# Altium PCB MainPCB_XBeeSXPro_Breakout.PcbDoc (part 1 of 2) (continued)
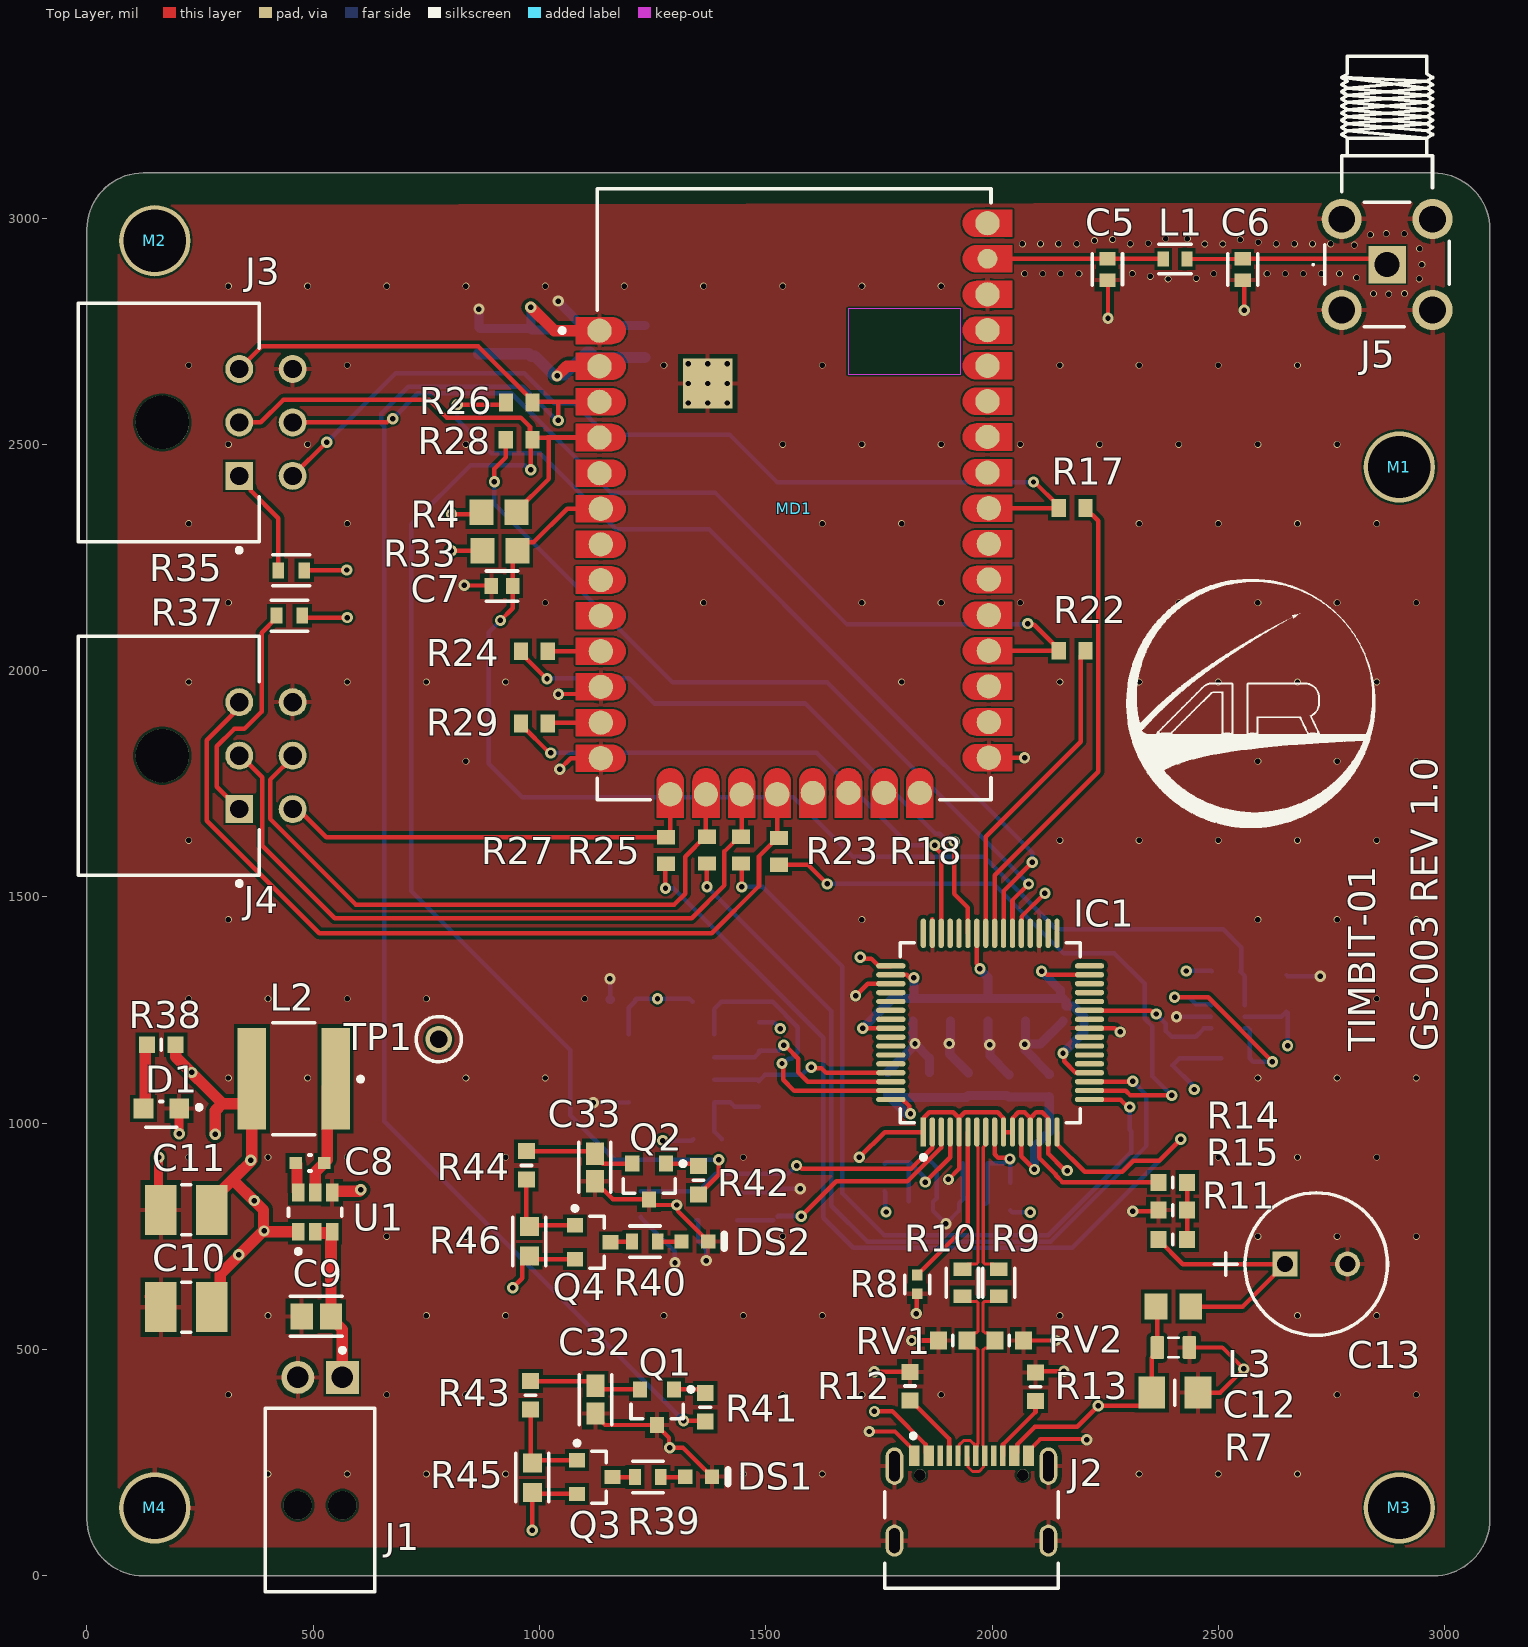
[diagram p0: Top Layer view]
## Components (designator, comment, footprint, x,y, rotation, side; value= is the part's Value field where it differs from the comment)
C1 "600S8R2BT250XT4K" CAPC1608X06N 866.09,2729.47 r90 bottom value=8.2pF
C2 "47pF" FP-C0805C470JDGACTU-MFG 981.73,2724.64 r90 bottom
C3 "0.1uF" FP-C0603C-CF-MFG 1107.79,2727.48 r90 bottom value="0.10 μF"
C4 "Capacitor 10µF +/-20% 25V 0805" CAPC0805(2012)145_L 1232.91,2727.48 r90 bottom value=10µF
C5 "0.1uF" FP-C0603C-CF-MFG 2254.69,2886.7 r90 top value="0.10 μF"
C6 "0.1uF" FP-C0603C-CF-MFG 2553.98,2886.59 r90 top value="0.10 μF"
C7 "10nF" FP-C0603C-CF-MFG 917.23,2186.68 r180 top value="10,000 pF"
C8 "100n" FP-0603-L_1_6_0_1-W_0_8_0-MFG 492.6,912.17 r180 top
C9 "10u" FP-GRM21B-0_2-e0_2_0_7-IPC_B 506.89,573.45 r180 top
C10 "22u" FP-1210-L_3_2_0_3-W_2_5_0-IPC_A 219.4,593.45 r180 top
C11 "22u" FP-1210-L_3_2_0_3-W_2_5_0-IPC_A 219.4,808.45 r180 top
C12 "Capacitor 10µF +/-20% 25V 0805" CAPC0805(2012)145_L 2400.85,504.73 r0 top value=10µF
C13 "ECA1HM101" CAPPR65-350-1150X800X1250 2716.32,688.76 r0 top value=100µF
C14 "30p" FP-GCM188-0_1-IPC_B 1526.96,818.78 r90 bottom
C15 "30p" FP-GCM188-0_1-IPC_B 1223.64,821.46 r270 bottom
C16 "0.1uF" CAPC0603(1608)100_L#1 1183.97,1273.24 r0 bottom value=100nF
C17 "0.1uF" FP-CGA3E-0_3-0_1-IPC_A 2650.51,1287.18 r270 bottom
C18 "0.1uF" FP-GCJ188-0_2-IPC_C 1769.53,1087.8 r270 bottom
C19 "Capacitor 4.7µF +/-20% 10V 0603" CAPC0603(1608)100_L#2 1861.72,1084.35 r270 bottom value=4.7µF
C20 "0.1uF" FP-GCJ188-0_2-IPC_C 1947.97,1085.99 r270 bottom
C21 "0.1uF" FP-GCJ188-0_2-IPC_C 2037.19,1082.19 r270 bottom
C22 "0.1uF" FP-GCJ188-0_2-IPC_C 2126.41,1083.23 r270 bottom
C23 "0.1uF" FP-GCJ188-0_2-IPC_C 1961.37,821.77 r0 bottom
C24 "Capacitor 4.7µF +/-20% 10V 0603" CAPC0603(1608)100_L#2 1962.31,911.9 r0 bottom value=4.7µF
C25 "0.1uF" FP-GCJ188-0_2-IPC_C 1840.67,914.2 r180 bottom
C26 "Capacitor 4.7µF +/-20% 10V 0603" CAPC0603(1608)100_L#2 1843.06,827.22 r180 bottom value=4.7µF
C27 "0.1uF" FP-GCJ188-0_2-IPC_C 1825.08,1251.02 r90 bottom
C28 "0.1uF" FP-GCJ188-0_2-IPC_C 1908.04,1251.02 r90 bottom
C29 "0.1uF" FP-GCJ188-0_2-IPC_C 1991,1251.02 r90 bottom
C30 "0.1uF" FP-GCJ188-0_2-IPC_C 2073.96,1251.02 r90 bottom
C31 "0.1uF" FP-GCJ188-0_2-IPC_C 2156.92,1251.02 r90 bottom
C32 "1uF" FP-0603-L_1_6_0_1-W_0_8_0-IPC_A 1123.89,389.28 r270 top
C33 "1uF" FP-0603-L_1_6_0_1-W_0_8_0-IPC_A 1122.19,902.48 r270 top
D1 "LTST-S270KRKT" FP-LTST-S270KRKT-MFG 164.4,1023.45 r180 top
DS1 "SML-LX0603YW-TR" LUMX-SML-LX0603_V 1351.54,219.01 r0 top
DS2 "LTW-C191TS5" LTST-LTW-C191TS5_V 1343.26,738.87 r0 top
IC1 "FT4232HL-REEL" FP-LQFP-64-MFG 1995.89,1200.19 r90 top
IC2 "74AUP2G06GW_125" SOT65P210X110-6N 2521.34,1235.05 r0 bottom
J1 "105313-1102" FP-105313-1102-MFG 515.19,167.58 r0 top
J2 "USB4105-GF-A" FP-USB4105-GF-A-MFG 1954.36,123.62 r0 top
J3 "43045-0600" FP-0430450600-MFG 180.42,2548.64 r270 top
J4 "43045-0600" FP-0430450600-MFG 180.42,1812.23 r270 top
J5 "CONREVSMA002-G" CONREVSMA002-G-Footprint-1 2867.92,3077.49 r270 top
L1 "LQW18AN12NG00D" FP-LQW18AN_00-MFG 2404.37,2909.97 r0 top
L2 "1255AY-4R7M=P3" FP-DG6045C-MFG 456.92,1098.45 r180 top
L3 "600 Ohm" LIRD-MI0805K601R-10-2_V 2400.85,594.84 r0 top
L4 "220 Ohm/0.5A" SMD-0603 2040.32,837.75 r90 bottom
L5 "220 Ohm/0.5A" SMD-0603 1762.71,880.01 r90 bottom
M1 "PTH-M3" PTH-M3-Footprint-1#1 2926.23,2563.49 r0 top
M2 "PTH-M3" PTH-M3-Footprint-1#2 107.15,2976.22 r0 top
M3 "PTH-M3" PTH-M3-Footprint-1#3 2870.95,171.89 r0 top
M4 "PTH-M3" PTH-M3-Footprint-1#4 129.27,127.67 r0 top
MD1 "XBP9X-DMUS-001" FP-XBP9X-DMUS-001-MFG 1562.72,2389.72 r0 top locked
Q1 "MMBT3906LT1G" ONSC-SOT-23-3-318-08_V 1259.71,372.59 r270 top
Q2 "MMBT3906LT1G" ONSC-SOT-23-3-318-08_V 1242.23,871.34 r270 top
Q3 "MMBT3906LT1G" ONSC-SOT-23-3-318-08_V 1122.34,218.23 r0 top
Q4 "MMBT3906LT1G" ONSC-SOT-23-3-318-08_V 1117.72,737.08 r0 top
R4 "Resistor 100k +/-1% 0805 125 mW" RESC2013X70X40ML20T20 910.42,2350.11 r180 top value=100k
R7 "VC120648D101DP" RESC3216X102N 2404.03,404.6 r0 top
R8 "12k" FP-CRCW0402-e3-MFG 1834.51,643.96 r270 top
R9 "10R" FP-CRCW0603-e3-MFG 2014.86,647.6 r90 top
R10 "10R" FP-CRCW0603-e3-MFG 1934.56,647.6 r90 top
R11 "4.7k" RESC1608X55N 2399.75,742.88 r180 top
R12 "5.1k" RESC1608X55N 1818.74,419.38 r90 top
R13 "5.1k" RESC1608X55N 2095.98,417.51 r90 top
R14 "1k" RESC1608X55N 2399.75,869.26 r0 top
R15 "10k" RESC1608X55N 2399.75,808.05 r180 top
R16 "2.2k" FP-CRCW0603-Pe3-IPC_B 1484.71,1065.17 r90 bottom
R17 "Resistor 0R +/- 5% 0603 100 mW" RESC1608X55X25ML10T15 2176.9,2359.62 r180 top value=0
R18 "Resistor 0R +/- 5% 0603 100 mW" RESC1608X55X25ML10T15 1529.39,1600.9 r90 top value=0
R19 "10k" RESC1608X55N 1370.73,964.81 r180 bottom
R20 "10k" RESC1608X55N 1485.49,1192.16 r90 bottom
R21 "10k" RESC1608X55N 1369.68,1268.16 r180 bottom
R22 "Resistor 0R +/- 5% 0603 100 mW" RESC1608X55X25ML10T15 2176.9,2043.94 r180 top value=0
R23 "Resistor 0R +/- 5% 0603 100 mW" RESC1608X55X25ML10T15 1445.32,1603.73 r90 top value=0
R24 "Resistor 0R +/- 5% 0603 100 mW" RESC1608X55X25ML10T15 988.5,2042.87 r0 top value=0
R25 "Resistor 0R +/- 5% 0603 100 mW" RESC1608X55X25ML10T15 1369.8,1603.61 r90 top value=0
R26 "Resistor 0R +/- 5% 0603 100 mW" RESC1608X55X25ML10T15 955.23,2592.37 r0 top value=0
R27 "Resistor 0R +/- 5% 0603 100 mW" RESC1608X55X25ML10T15 1279.78,1602.7 r90 top value=0
R28 "Resistor 0R +/- 5% 0603 100 mW" RESC1608X55X25ML10T15 954.79,2510.54 r0 top value=0
R29 "Resistor 0R +/- 5% 0603 100 mW" RESC1608X55X25ML10T15 988.5,1883.65 r0 top value=0
R30 "10k" RESC1608X55N 2397.72,1159.54 r90 bottom
R31 "10k" RESC1608X55N 2537.86,1143.42 r0 bottom
R32 "10k" RESC1608X55N 2516.99,1335.58 r0 bottom
R33 "Resistor 100k +/-1% 0805 125 mW" RESC2013X70X40ML20T20 912.68,2265.03 r180 top value=100k
R35 "0R" FP-ERJ-3GEY0R00V-MFG 451.59,2221.87 r180 top value=0Ω
R37 "0R" FP-ERJ-3GEY0R00V-MFG 447.33,2121.63 r180 top value=0Ω
R38 "1k" RESC1608X55N 164.4,1173.45 r0 top
R39 "330R" FP-RMCF0603-MFG 1239.63,218.23 r0 top
R40 "330R" FP-RMCF0603-MFG 1233.02,738.33 r0 top
R41 "10k" RESC1608X55N 1366.2,372.57 r90 top
R42 "10k" RESC1608X55N 1351.27,873.62 r90 top
R43 "10k" RESC1608X55N 980.35,398.81 r270 top
R44 "10k" RESC1608X55N 971.17,906.72 r270 top
R45 "100k" FP-MCT0603-IPC_A 984.21,216.93 r90 top
R46 "100k" FP-MCT0603-IPC_A 977.43,738.99 r90 top
RV1 "DNP" VARC1608X90N 1912.76,520 r0 top
RV2 "DNP" VARC1608X90N 2037.77,520 r180 top
TP1 "3V3" KSTN-5003 777.19,1185.8 r0 top
U1 "AP63203WU-7" FP-TSOT26-MFG 504.4,803.45 r90 top
U2 "93LC56BT-I/SN" SOIC-SN8_N 1291.88,1121.36 r180 bottom
Y1 "ABM8G-12.000MHZ-18-D2Y-T3" FP-ABM8G-MFG 1393.61,819.14 r0 bottom

## Footprints (in the part's own frame and the unit in brackets; to place one, negate y for a bottom-side part, rotate by r counter-clockwise, add the part's x,y. Pads: shape width x height; smd on the part's side, far side on the other; paste and mask are expansions set on the pad)
CAPC0603(1608)100_L#1 [mm] "Chip Capacitor, Body 1.6x0.8mm, Height 1.0mm, IPC High Density"
  rect 0.7x0.9 smd: 1(-0.7,0) 2(0.7,0)
  silkscreen extent -0.05,-0.35 0.05,0.35, body extent -0.87,-0.47 0.88,0.48, height 1
CAPC0603(1608)100_L#2 [mm] "Chip Capacitor, Body 1.6x0.8mm, Height 1.0mm, IPC High Density"
  rrect25% 0.66x0.76 smd: 1(-0.7,0) 2(0.7,0)
  silkscreen extent 0,-0.3 0,0.3, body extent -0.8,-0.4 0.8,0.4, height 0.95
CAPC0805(2012)145_L [mm] "Chip Capacitor, Body 2.0x1.2mm, Height 1.45mm, IPC High Density"
  rrect25% 0.76x1.3 smd: 1(-0.9,0) 2(0.89,0)
  silkscreen extent -0.3,-0.55 0.3,0.55, body extent -1,-0.6 1,0.6, height 1.45
CAPC1608X06N [mm] "Chip Capacitor, 2-Leads, Body 1.55x0.85mm, IPC Medium Density"
  rect 0.62x0.98 smd: 1(-0.74,0) 2(0.74,0)
  silkscreen extent -0.05,-0.39 0.05,0.39, body extent -0.8,-0.45 0.8,0.45, height 0.6
CAPPR65-350-1150X800X1250 [mm] "THD, 2-Leads, Dia 8mm, Pin Spacing 3.5mm"
  rect 1.4x1.4 hole 0.9: 1(-1.75,0)
  round 1.4 hole 0.9: 2(1.75,0)
  silkscreen extent -5.71,-4 4,4, body extent -4,-4 3.95,4, height 12.5
CONREVSMA002-G-Footprint-1 [mm]
  rect 2.1x2.1 hole 1.4: 1(4.572,0.127)
  round 2.25 hole 1.5: 2(2.022,-2.423) 3(7.122,-2.423) 4(7.122,2.677) 5(2.022,2.677)
  silkscreen extent -7.13,-4.07 8.07,3.63, body extent -7.64,-2.87 7.56,4.14, height 10
FP-0603-L_1_6_0_1-W_0_8_0-IPC_A [mil]
  rect 49.52x39.85 smd paste+0 mask+0: 1(-30.6,0) 2(30.6,0)
  silkscreen extent -55,-36 55,36, body extent -75,-40 75,40, height 10
FP-0603-L_1_6_0_1-W_0_8_0-MFG [mm]
  rect 0.7x0.7 smd paste+0 mask+0: 1(-0.8,0) 2(0.8,0)
  silkscreen extent -0.08,-0.45 0.08,0.45, body extent -1.25,-0.55 1.25,0.55, height 0.25
FP-1210-L_3_2_0_3-W_2_5_0-IPC_A [mil]
  rect 69.03x110.48 smd paste+0 mask+0: 1(-56.12,0) 2(56.12,0)
  silkscreen extent -10,-55 10,55, body extent -110,-75 110,75, height 10
FP-105313-1102-MFG [mm]
  rect 1.85x1.85 hole 1.2 paste-2539.97 mask+0: 1(1.25,6.88)
  round 1.85 hole 1.2 paste-2539.97 mask+0: 2(-1.25,6.88)
  round 1.6 hole 1.6 unplated paste-2539.97 mask+0: ""(-1.25,-0.3) ""(1.25,-0.3)
  silkscreen extent -3.07,-5.16 3.07,8.52, body extent -3.17,-5.26 3.17,7.91, height 0.25
FP-0430450600-MFG [mm]
  rect 1.57x1.57 hole 1.02 paste-2539.97 mask+0: 1(3,3.965)
  round 1.57 hole 1.02 paste-2539.97 mask+0: 2(0,3.965) 3(-3,3.965) 4(3,6.965) 5(0,6.965) 6(-3,6.965)
  round 3 hole 3 unplated paste-2539.97 mask+0: ""(0,-0.355)
  silkscreen extent -6.7,-5.08 7.3,5.08, body extent -6.8,-5.18 6.8,7.85, height 0.25
FP-ABM8G-MFG [mm]
  rect 1.4x1.2 smd paste+0 mask+0: 1(-1.1,-0.85) 2(1.1,-0.85) 3(1.1,0.85) 4(-1.1,0.85)
  silkscreen extent -2.47,-1.83 1.6,1.83, body extent -1.6,-1.25 1.6,1.25, height 1
FP-C0603C-CF-MFG [mm]
  rect 0.75x0.9 smd paste+0 mask+0: 1(-0.6,0) 2(0.6,0)
  silkscreen extent -0.87,-0.85 0.88,0.85, body extent -0.8,-0.4 0.8,0.4, height 0.87
FP-C0805C470JDGACTU-MFG [mm]
  rect 0.95x1.35 smd paste+0 mask+0: 1(-0.75,0) 2(0.75,0)
  silkscreen extent -1.1,-1.17 1.1,1.17, body extent -1,-0.63 1,0.63, height 1.4
FP-CGA3E-0_3-0_1-IPC_A [mm]
  rect 0.956x1.206 smd paste+0 mask+0: 1(-1.025,0) 2(1.025,0)
  silkscreen extent -0.25,-0.6 0.25,0.6, body extent -0.8,-0.4 0.8,0.4, height 1.1
FP-CRCW0402-e3-MFG [mm]
  rect 0.6x0.6 smd paste+0 mask+0: 1(-0.525,0) 2(0.525,0)
  silkscreen extent -0.53,-0.7 0.53,0.7, body extent -0.92,-0.4 0.92,0.4, height 0.25
FP-CRCW0603-e3-MFG [mm]
  rect 0.75x1 smd paste+0 mask+0: 1(-0.75,0) 2(0.75,0)
  silkscreen extent -0.8,-0.9 0.8,0.9, body extent -1.22,-0.6 1.22,0.6, height 0.25
FP-CRCW0603-Pe3-IPC_B [mil]
  rect 36.81x37.88 smd paste+0 mask+0: 1(-28.17,0) 2(28.17,0)
  silkscreen extent -47,-35 47,35, body extent -31,-17 31,17, height 20
FP-DG6045C-MFG [mm]
  rect 1.6x5.7 smd paste+0 mask+0: 1(-2.35,0) 2(2.35,0)
  silkscreen extent -3.88,-3.15 1.17,3.15, body extent -3.25,-3.25 3.25,3.25, height 0.25
FP-ERJ-3GEY0R00V-MFG [mm]
  rect 0.65x0.9 smd paste+0 mask+0: 1(-0.725,0) 2(0.725,0)
  silkscreen extent -1.03,-0.87 1.03,0.87, body extent -1.15,-0.58 1.15,0.58, height 0.25
FP-GCJ188-0_2-IPC_C [mil]
  rect 33.67x31.97 smd paste+0 mask+0: 1(-24.63,0) 2(24.63,0)
  silkscreen extent -41,-33 41,33, body extent -31,-16 31,16, height 35
FP-GCM188-0_1-IPC_B [mil]
  rect 37.74x35.91 smd paste+0 mask+0: 1(-28.61,0) 2(28.61,0)
  silkscreen extent -47,-34 47,34, body extent -31,-16 31,16, height 35
FP-GRM21B-0_2-e0_2_0_7-IPC_B [mil]
  rect 49.4x57.33 smd paste+0 mask+0: 1(-32.51,0) 2(32.51,0)
  silkscreen extent -57,-44 57,44, body extent -67,-39 67,39, height 10
FP-LQFP-64-MFG [mm]
  rect 1.65x0.3 smd paste+0 mask+0: 1(-5.575,3.75)
  rrect100% 1.65x0.3 smd paste+0 mask+0: 2(-5.575,3.25) 3(-5.575,2.75) 4(-5.575,2.25) 5(-5.575,1.75) 6(-5.575,1.25) 7(-5.575,0.75) 8(-5.575,0.25) 9(-5.575,-0.25) 10(-5.575,-0.75) 11(-5.575,-1.25) 12(-5.575,-1.75) 13(-5.575,-2.25) 14(-5.575,-2.75) 15(-5.575,-3.25) 16(-5.575,-3.75) 33(5.575,-3.75) 34(5.575,-3.25) 35(5.575,-2.75) 36(5.575,-2.25) 37(5.575,-1.75) 38(5.575,-1.25) 39(5.575,-0.75) 40(5.575,-0.25) 41(5.575,0.25) 42(5.575,0.75) 43(5.575,1.25) 44(5.575,1.75) 45(5.575,2.25) 46(5.575,2.75) 47(5.575,3.25) 48(5.575,3.75)
  rrect100% 0.3x1.65 smd paste+0 mask+0: 17(-3.75,-5.575) 18(-3.25,-5.575) 19(-2.75,-5.575) 20(-2.25,-5.575) 21(-1.75,-5.575) 22(-1.25,-5.575) 23(-0.75,-5.575) 24(-0.25,-5.575) 25(0.25,-5.575) 26(0.75,-5.575) 27(1.25,-5.575) 28(1.75,-5.575) 29(2.25,-5.575) 30(2.75,-5.575) 31(3.25,-5.575) 32(3.75,-5.575) 49(3.75,5.575) 50(3.25,5.575) 51(2.75,5.575) 52(2.25,5.575) 53(1.75,5.575) 54(1.25,5.575) 55(0.75,5.575) 56(0.25,5.575) 57(-0.25,5.575) 58(-0.75,5.575) 59(-1.25,5.575) 60(-1.75,5.575) 61(-2.25,5.575) 62(-2.75,5.575) 63(-3.25,5.575) 64(-3.75,5.575)
  silkscreen extent -7.12,-5.05 5.05,5.05, body extent -6.5,-6.5 6.5,6.5, height 0.25
FP-LQW18AN_00-MFG [mm]
  rect 0.625x0.85 smd paste+0 mask+0: 1(-0.663,0) 2(0.663,0)
  silkscreen extent -0.9,-0.82 0.9,0.82, body extent -1.07,-0.6 1.07,0.6, height 0.25
FP-LTST-S270KRKT-MFG [mm]
  rect 1.1x1.1 smd paste+0 mask+0: 1(-1,-0.235) 2(1,-0.235)
  silkscreen extent -2.25,-0.63 0.87,0.82, body extent -1.65,-0.88 1.65,0.72, height 0.25
FP-MCT0603-IPC_A [mil]
  rect 41.88x41.82 smd paste+0 mask+0: 1(-32.65,0) 2(32.65,0)
  silkscreen extent -54,-37 54,37, body extent -73,-41 73,41, height 10
FP-RMCF0603-MFG [mm]
  rect 0.65x0.9 smd paste+0 mask+0: 1(-0.725,0) 2(0.725,0)
  silkscreen extent -0.85,-0.88 0.85,0.88, body extent -1.15,-0.58 1.15,0.58, height 0.25
FP-TSOT26-MFG [mm]
  rect 1x0.7 smd paste+0 mask+0: 1(-1.099,0.95) 2(-1.099,0) 3(-1.099,-0.95) 4(1.099,-0.95) 5(1.099,0) 6(1.099,0.95)
  silkscreen extent -2.32,-1.5 0.22,1.5, body extent -1.7,-1.6 1.7,1.6, height 0.25
FP-USB4105-GF-A-MFG [mm]
  rrect100% 1x2.1 hole 1.7 slot 0.6 at 0 deg paste-2539.97 mask+0: 1(-4.32,3.015) 2(4.32,3.015)
  rrect100% 1x1.8 hole 1.4 slot 0.6 at 0 deg paste-2539.97 mask+0: 3(-4.32,-1.165) 4(4.32,-1.165)
  rect 0.6x1.15 smd paste+0 mask+0: A1-B12(-3.2,3.59) A4-B9(-2.4,3.59) B1-A12(3.2,3.59) B4-A9(2.4,3.59)
  rect 0.3x1.15 smd paste+0 mask+0: A5(-1.25,3.59) A6(-0.25,3.59) A7(0.25,3.59) A8(1.25,3.59) B5(1.75,3.59) B6(0.75,3.59) B7(-0.75,3.59) B8(-1.75,3.59)
  round 0.65 hole 0.65 unplated paste-2539.97 mask+0: ""(-2.89,2.515) ""(2.89,2.515)
  silkscreen extent -4.86,-3.84 4.86,4.84, body extent -4.96,-3.94 4.96,4.27, height 0.25
FP-XBP9X-DMUS-001-MFG [mm]
  round 1.368 smd paste+0 mask+0: 1(-10.926,9.19) 2(-10.926,7.19) 3(-10.926,5.19) 4(-10.926,3.19) 5(-10.926,1.19) 6(-10.85,-0.81) 7(-10.85,-2.81) 8(-10.85,-4.81) 9(-10.85,-6.81) 10(-10.85,-8.81) 11(-10.85,-10.81) 12(-10.85,-12.81) 13(-10.85,-14.81) 14(-6.95,-16.836) 15(-4.95,-16.836) 16(-2.95,-16.836) 17(-0.95,-16.836) 18(1.05,-16.76) 19(3.05,-16.76) 20(5.05,-16.76) 21(7.05,-16.76) 22(10.926,-14.78) 23(10.926,-12.78) 24(10.926,-10.78) 25(10.926,-8.78) 26(10.926,-6.78) 27(10.926,-4.78) 28(10.926,-2.78) 29(10.926,-0.78) 30(10.85,1.22) 31(10.85,3.22) 32(10.85,5.22) 33(10.85,7.22) 34(10.85,9.22) 35(10.85,11.22) 37(10.85,15.22)
  round 1.114 smd paste+0 mask+0: 36(10.85,13.22)
  rect 2.79x2.79 smd paste+0 mask+0: 38(-4.855,6.225)
  Top Layer region: 12.25,-15.54 10.21,-15.54 9.919,-15.482 9.673,-15.317 9.508,-15.071 9.45,-14.78 9.45,-14.78 9.508,-14.489 9.673,-14.243 9.919,-14.078 10.21,-14.02 10.21,-14.02 12.25,-14.02
  Top Layer region: 12.25,10.46 10.21,10.46 9.919,10.518 9.673,10.683 9.508,10.929 9.45,11.22 9.45,11.22 9.508,11.511 9.673,11.757 9.919,11.922 10.21,11.98 10.21,11.98 12.25,11.98
  Top Layer region: -12.25,9.95 -10.21,9.95 -9.919,9.892 -9.673,9.727 -9.508,9.481 -9.45,9.19 -9.45,9.19 -9.508,8.899 -9.673,8.653 -9.919,8.488 -10.21,8.43 -10.21,8.43 -12.25,8.43
  Top Layer region: -12.25,-10.05 -10.21,-10.05 -9.919,-10.108 -9.673,-10.273 -9.508,-10.519 -9.45,-10.81 -9.45,-10.81 -9.508,-11.101 -9.673,-11.347 -9.919,-11.512 -10.21,-11.57 -10.21,-11.57 -12.25,-11.57
  Top Layer region: -12.25,-14.05 -10.21,-14.05 -9.919,-14.108 -9.673,-14.273 -9.508,-14.519 -9.45,-14.81 -9.45,-14.81 -9.508,-15.101 -9.673,-15.347 -9.919,-15.512 -10.21,-15.57 -10.21,-15.57 -12.25,-15.57
  Top Layer region: -12.25,7.95 -10.21,7.95 -9.919,7.892 -9.673,7.727 -9.508,7.481 -9.45,7.19 -9.45,7.19 -9.508,6.899 -9.673,6.653 -9.919,6.488 -10.21,6.43 -10.21,6.43 -12.25,6.43
  Top Layer region: -12.25,5.95 -10.21,5.95 -9.919,5.892 -9.673,5.727 -9.508,5.481 -9.45,5.19 -9.45,5.19 -9.508,4.899 -9.673,4.653 -9.919,4.488 -10.21,4.43 -10.21,4.43 -12.25,4.43
  Top Layer region: 12.25,-9.54 10.21,-9.54 9.919,-9.482 9.673,-9.317 9.508,-9.071 9.45,-8.78 9.45,-8.78 9.508,-8.489 9.673,-8.243 9.919,-8.078 10.21,-8.02 10.21,-8.02 12.25,-8.02
  Top Layer region: -12.25,3.95 -10.21,3.95 -9.919,3.892 -9.673,3.727 -9.508,3.481 -9.45,3.19 -9.45,3.19 -9.508,2.899 -9.673,2.653 -9.919,2.488 -10.21,2.43 -10.21,2.43 -12.25,2.43
  Top Layer region: 12.25,-1.54 10.21,-1.54 9.919,-1.482 9.673,-1.317 9.508,-1.071 9.45,-0.78 9.45,-0.78 9.508,-0.489 9.673,-0.243 9.919,-0.078 10.21,-0.02 10.21,-0.02 12.25,-0.02
  Top Layer region: -12.25,1.95 -10.21,1.95 -9.919,1.892 -9.673,1.727 -9.508,1.481 -9.45,1.19 -9.45,1.19 -9.508,0.899 -9.673,0.653 -9.919,0.488 -10.21,0.43 -10.21,0.43 -12.25,0.43
  Top Layer region: -12.25,-0.05 -10.21,-0.05 -9.919,-0.108 -9.673,-0.273 -9.508,-0.519 -9.45,-0.81 -9.45,-0.81 -9.508,-1.101 -9.673,-1.347 -9.919,-1.512 -10.21,-1.57 -10.21,-1.57 -12.25,-1.57
  Top Layer region: -12.25,-2.05 -10.21,-2.05 -9.919,-2.108 -9.673,-2.273 -9.508,-2.519 -9.45,-2.81 -9.45,-2.81 -9.508,-3.101 -9.673,-3.347 -9.919,-3.512 -10.21,-3.57 -10.21,-3.57 -12.25,-3.57
  Top Layer region: -12.25,-4.05 -10.21,-4.05 -9.919,-4.108 -9.673,-4.273 -9.508,-4.519 -9.45,-4.81 -9.45,-4.81 -9.508,-5.101 -9.673,-5.347 -9.919,-5.512 -10.21,-5.57 -10.21,-5.57 -12.25,-5.57
  Top Layer region: -12.25,-6.05 -10.21,-6.05 -9.919,-6.108 -9.673,-6.273 -9.508,-6.519 -9.45,-6.81 -9.45,-6.81 -9.508,-7.101 -9.673,-7.347 -9.919,-7.512 -10.21,-7.57 -10.21,-7.57 -12.25,-7.57
  Top Layer region: -12.25,-8.05 -10.21,-8.05 -9.919,-8.108 -9.673,-8.273 -9.508,-8.519 -9.45,-8.81 -9.45,-8.81 -9.508,-9.101 -9.673,-9.347 -9.919,-9.512 -10.21,-9.57 -10.21,-9.57 -12.25,-9.57
  Top Layer region: -12.25,-12.05 -10.21,-12.05 -9.919,-12.108 -9.673,-12.273 -9.508,-12.519 -9.45,-12.81 -9.45,-12.81 -9.508,-13.101 -9.673,-13.347 -9.919,-13.512 -10.21,-13.57 -10.21,-13.57 -12.25,-13.57
  Top Layer region: -7.71,-18.16 -7.71,-16.12 -7.652,-15.829 -7.487,-15.583 -7.241,-15.418 -6.95,-15.36 -6.95,-15.36 -6.659,-15.418 -6.413,-15.583 -6.248,-15.829 -6.19,-16.12 -6.19,-16.12 -6.19,-18.16
  Top Layer region: -5.71,-18.16 -5.71,-16.12 -5.652,-15.829 -5.487,-15.583 -5.241,-15.418 -4.95,-15.36 -4.95,-15.36 -4.659,-15.418 -4.413,-15.583 -4.248,-15.829 -4.19,-16.12 -4.19,-16.12 -4.19,-18.16
  Top Layer region: -3.71,-18.16 -3.71,-16.12 -3.652,-15.829 -3.487,-15.583 -3.241,-15.418 -2.95,-15.36 -2.95,-15.36 -2.659,-15.418 -2.413,-15.583 -2.248,-15.829 -2.19,-16.12 -2.19,-16.12 -2.19,-18.16
  Top Layer region: -1.71,-18.16 -1.71,-16.12 -1.652,-15.829 -1.487,-15.583 -1.241,-15.418 -0.95,-15.36 -0.95,-15.36 -0.659,-15.418 -0.413,-15.583 -0.248,-15.829 -0.19,-16.12 -0.19,-16.12 -0.19,-18.16
  Top Layer region: 0.29,-18.16 0.29,-16.12 0.348,-15.829 0.513,-15.583 0.759,-15.418 1.05,-15.36 1.05,-15.36 1.341,-15.418 1.587,-15.583 1.752,-15.829 1.81,-16.12 1.81,-16.12 1.81,-18.16
  Top Layer region: 2.29,-18.16 2.29,-16.12 2.348,-15.829 2.513,-15.583 2.759,-15.418 3.05,-15.36 3.05,-15.36 3.341,-15.418 3.587,-15.583 3.752,-15.829 3.81,-16.12 3.81,-16.12 3.81,-18.16
  Top Layer region: 4.29,-18.16 4.29,-16.12 4.348,-15.829 4.513,-15.583 4.759,-15.418 5.05,-15.36 5.05,-15.36 5.341,-15.418 5.587,-15.583 5.752,-15.829 5.81,-16.12 5.81,-16.12 5.81,-18.16
  Top Layer region: 6.29,-18.16 6.29,-16.12 6.348,-15.829 6.513,-15.583 6.759,-15.418 7.05,-15.36 7.05,-15.36 7.341,-15.418 7.587,-15.583 7.752,-15.829 7.81,-16.12 7.81,-16.12 7.81,-18.16
  Top Layer region: 12.25,-13.54 10.21,-13.54 9.919,-13.482 9.673,-13.317 9.508,-13.071 9.45,-12.78 9.45,-12.78 9.508,-12.489 9.673,-12.243 9.919,-12.078 10.21,-12.02 10.21,-12.02 12.25,-12.02
  Top Layer region: 12.25,-11.54 10.21,-11.54 9.919,-11.482 9.673,-11.317 9.508,-11.071 9.45,-10.78 9.45,-10.78 9.508,-10.489 9.673,-10.243 9.919,-10.078 10.21,-10.02 10.21,-10.02 12.25,-10.02
  Top Layer region: 12.25,-7.54 10.21,-7.54 9.919,-7.482 9.673,-7.317 9.508,-7.071 9.45,-6.78 9.45,-6.78 9.508,-6.489 9.673,-6.243 9.919,-6.078 10.21,-6.02 10.21,-6.02 12.25,-6.02
  Top Layer region: 12.25,-5.54 10.21,-5.54 9.919,-5.482 9.673,-5.317 9.508,-5.071 9.45,-4.78 9.45,-4.78 9.508,-4.489 9.673,-4.243 9.919,-4.078 10.21,-4.02 10.21,-4.02 12.25,-4.02